# Altium PCB Brains3.PcbDoc (part 1 of 2)
Units mil, origin at the board's own origin, x right, y up, seen from the top; angles counter-clockwise.
Board outline 7000 x 3000 mil, 4 copper layers (Top Layer, PWR, GND, Bottom Layer); 216 components, 184 nets, 787 pads, 243 vias.
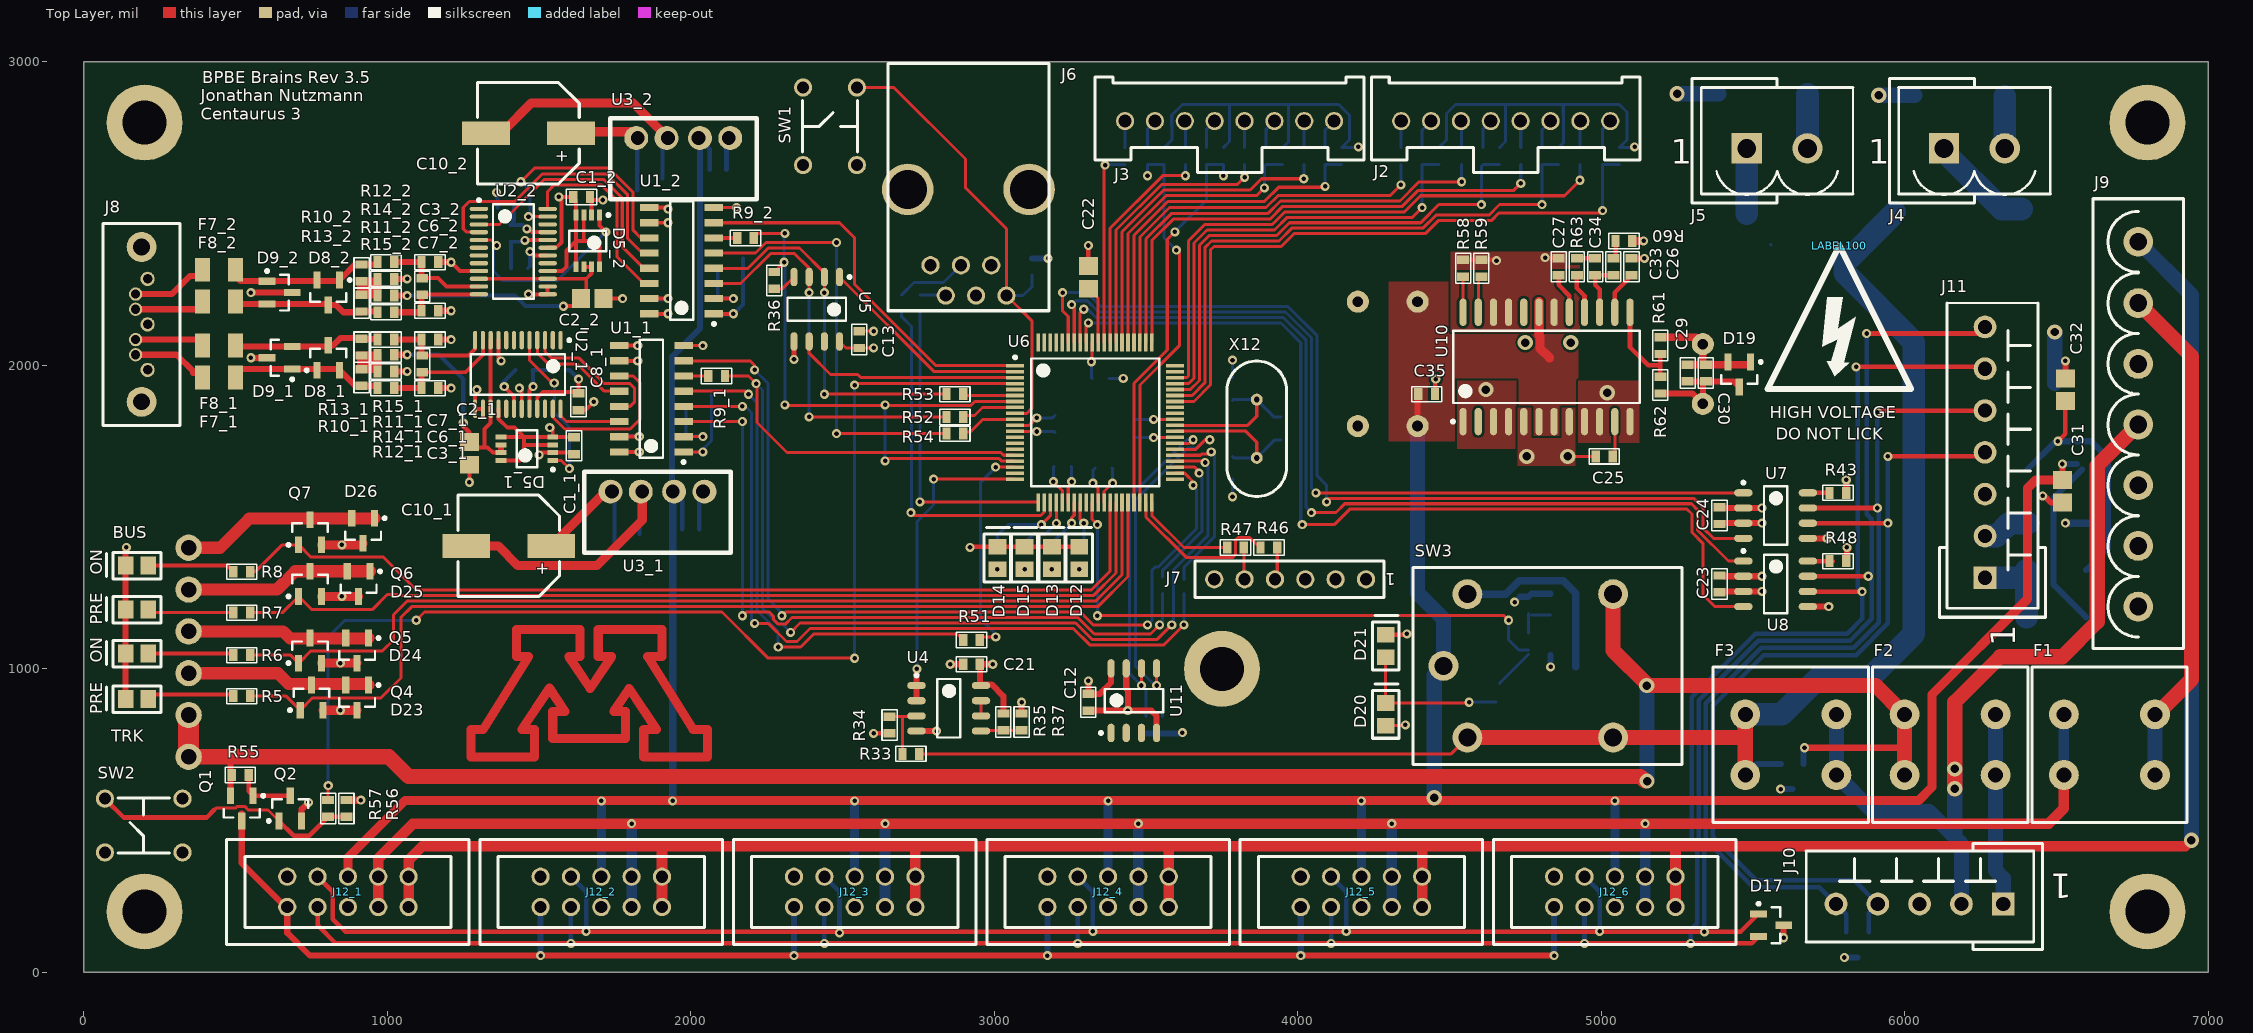
[diagram p0: Top Layer view]
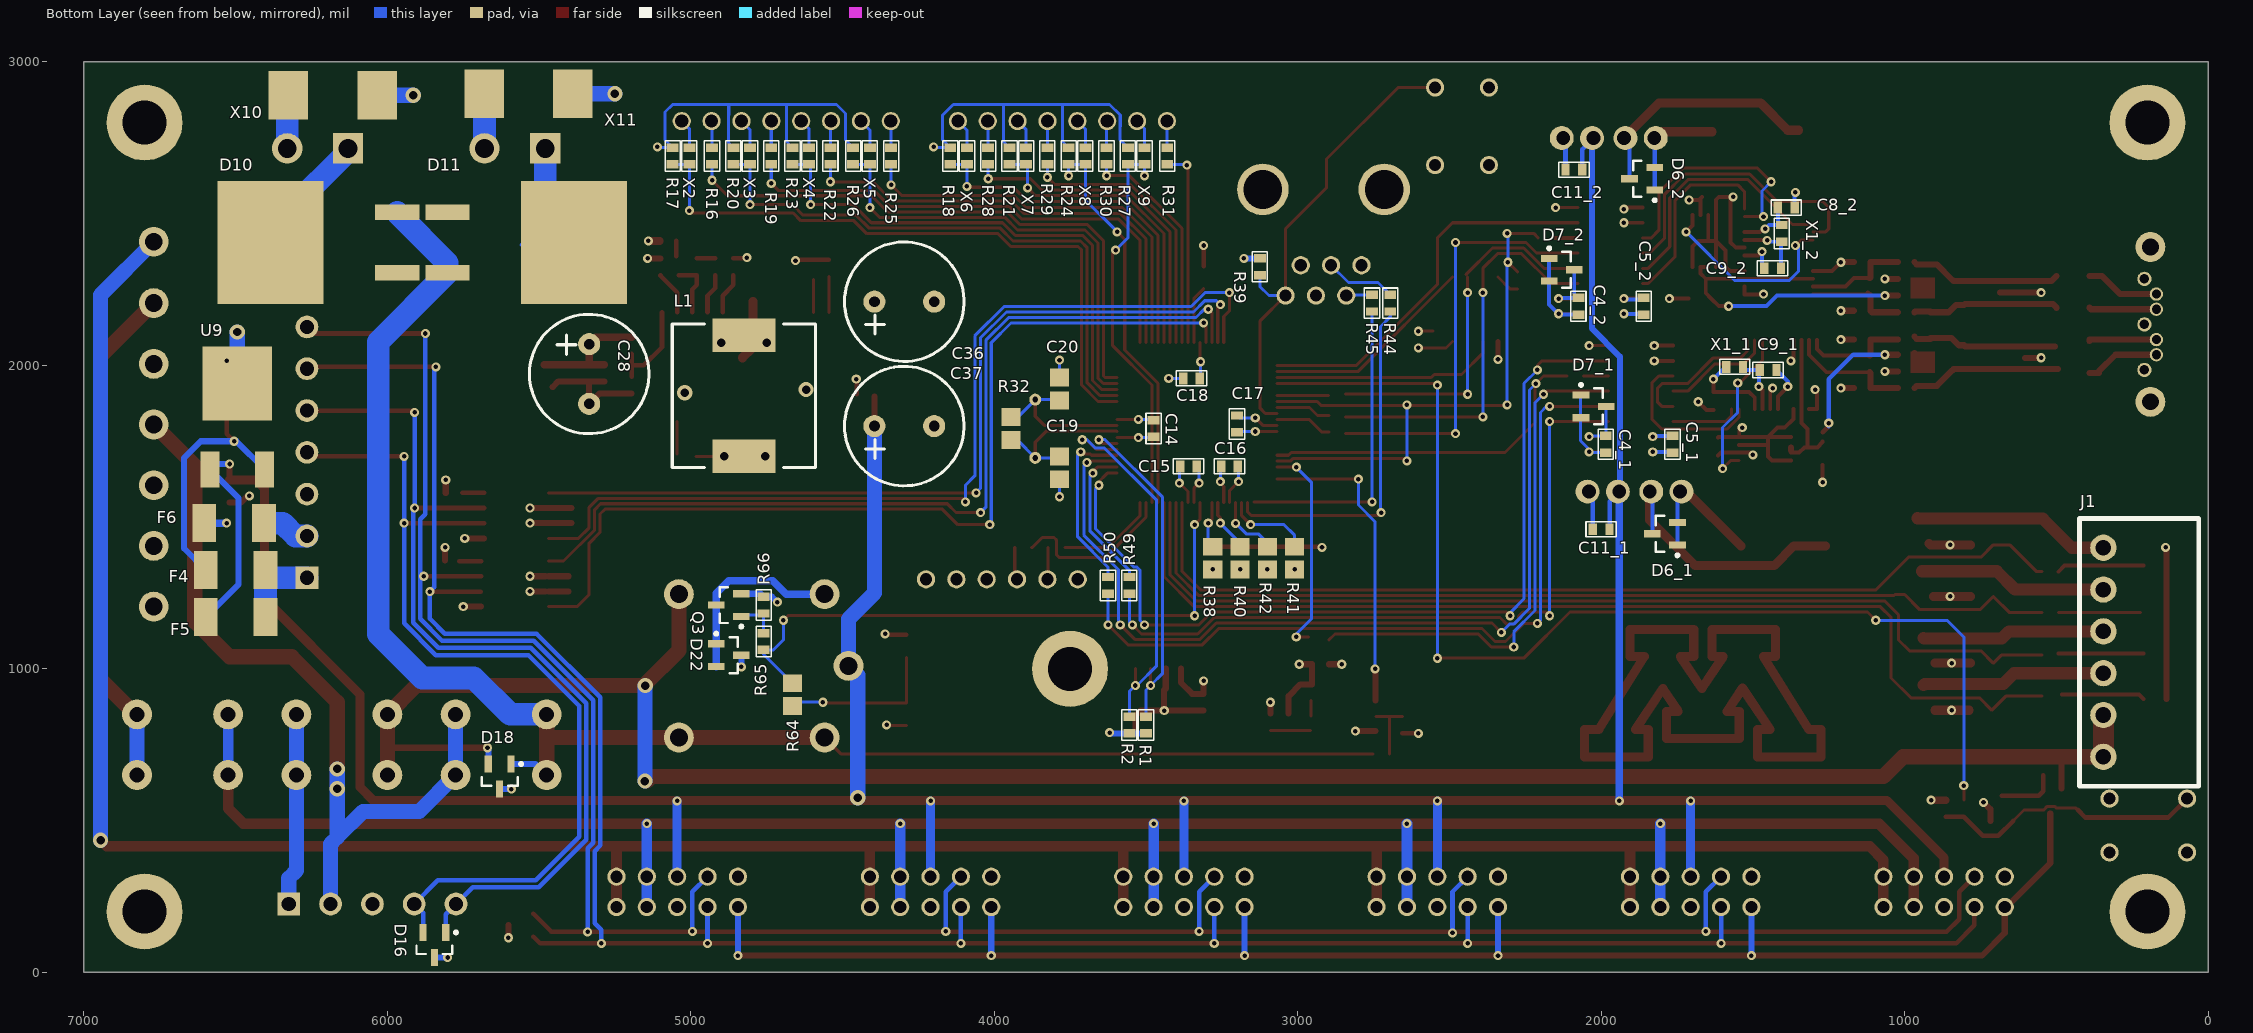
[diagram p1: Bottom Layer view, seen from below]
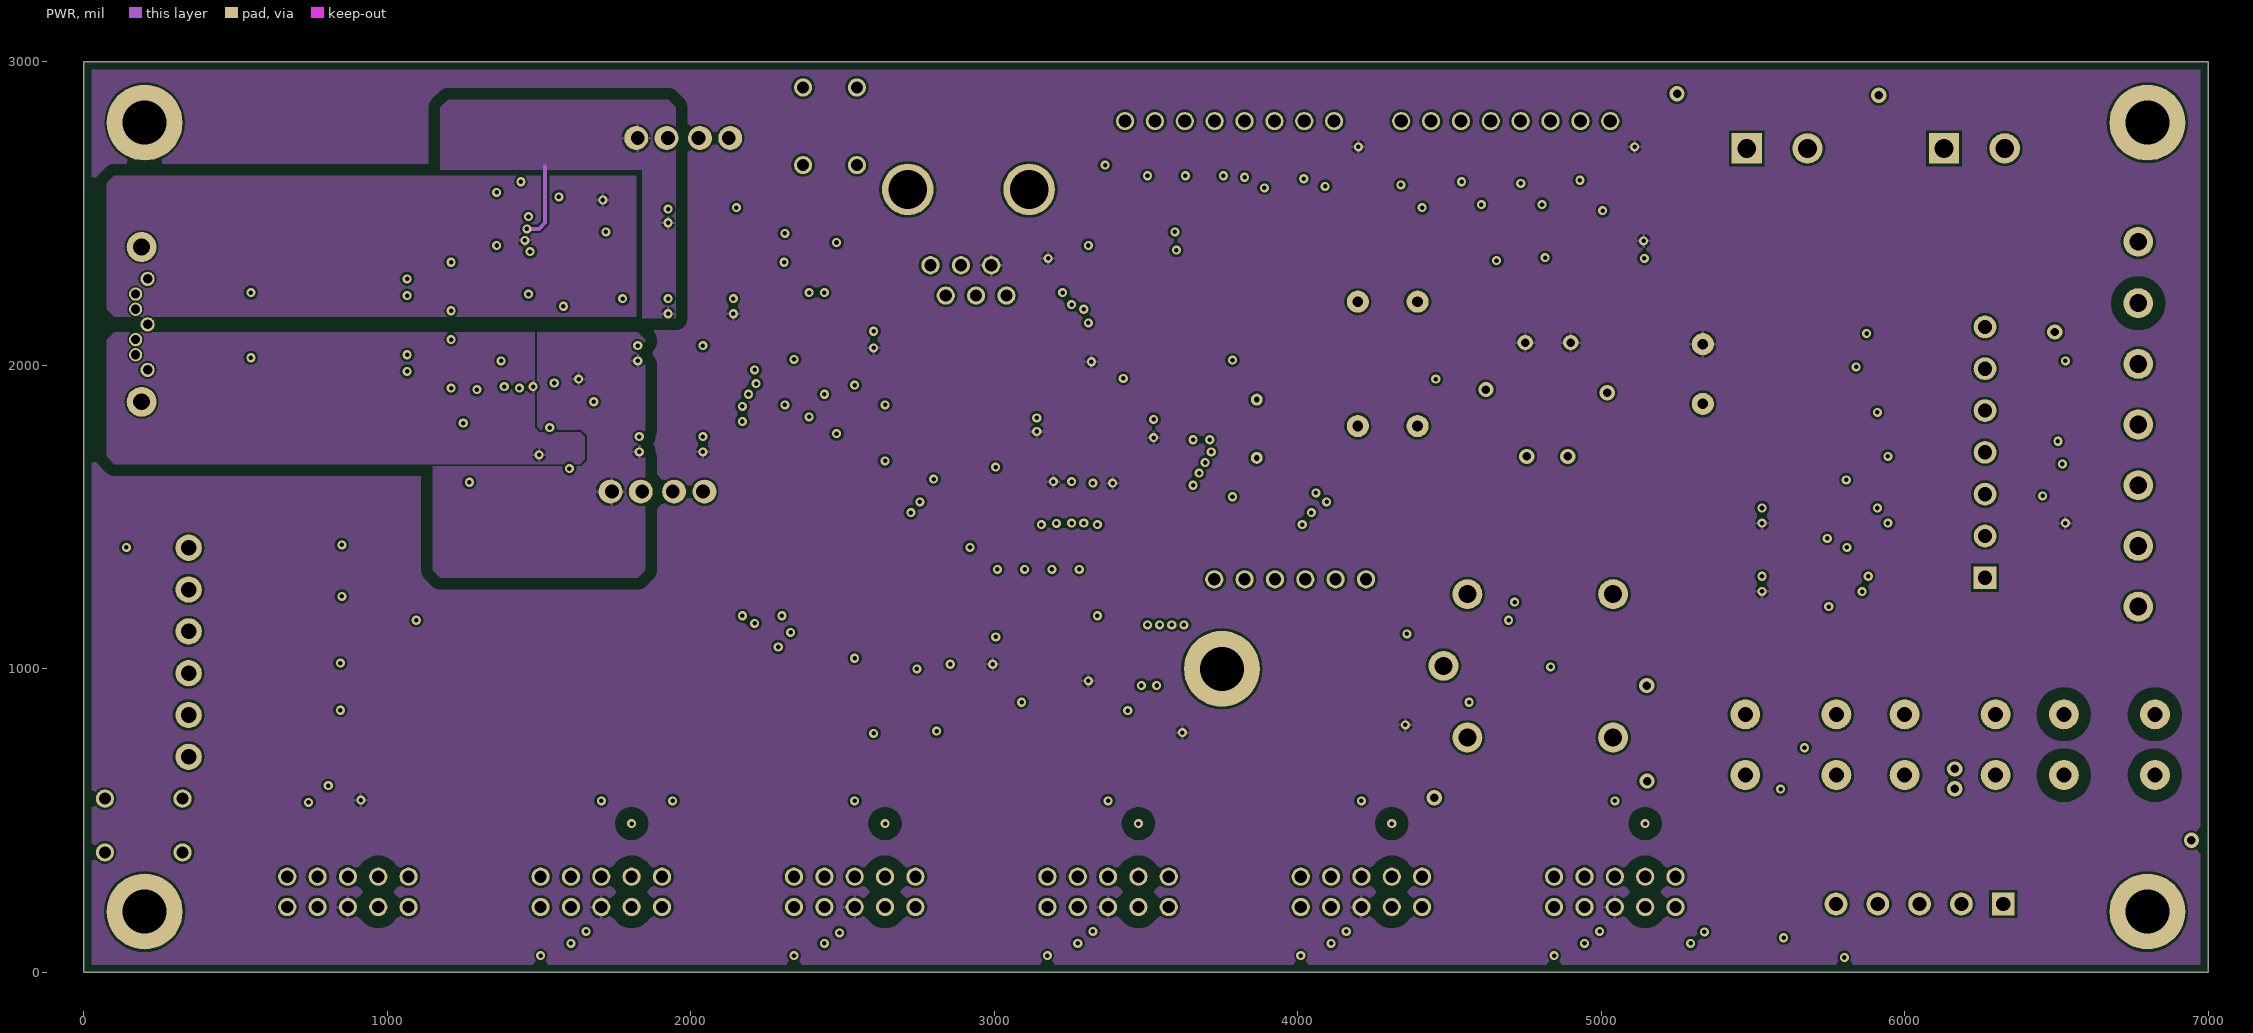
[diagram p2: PWR]
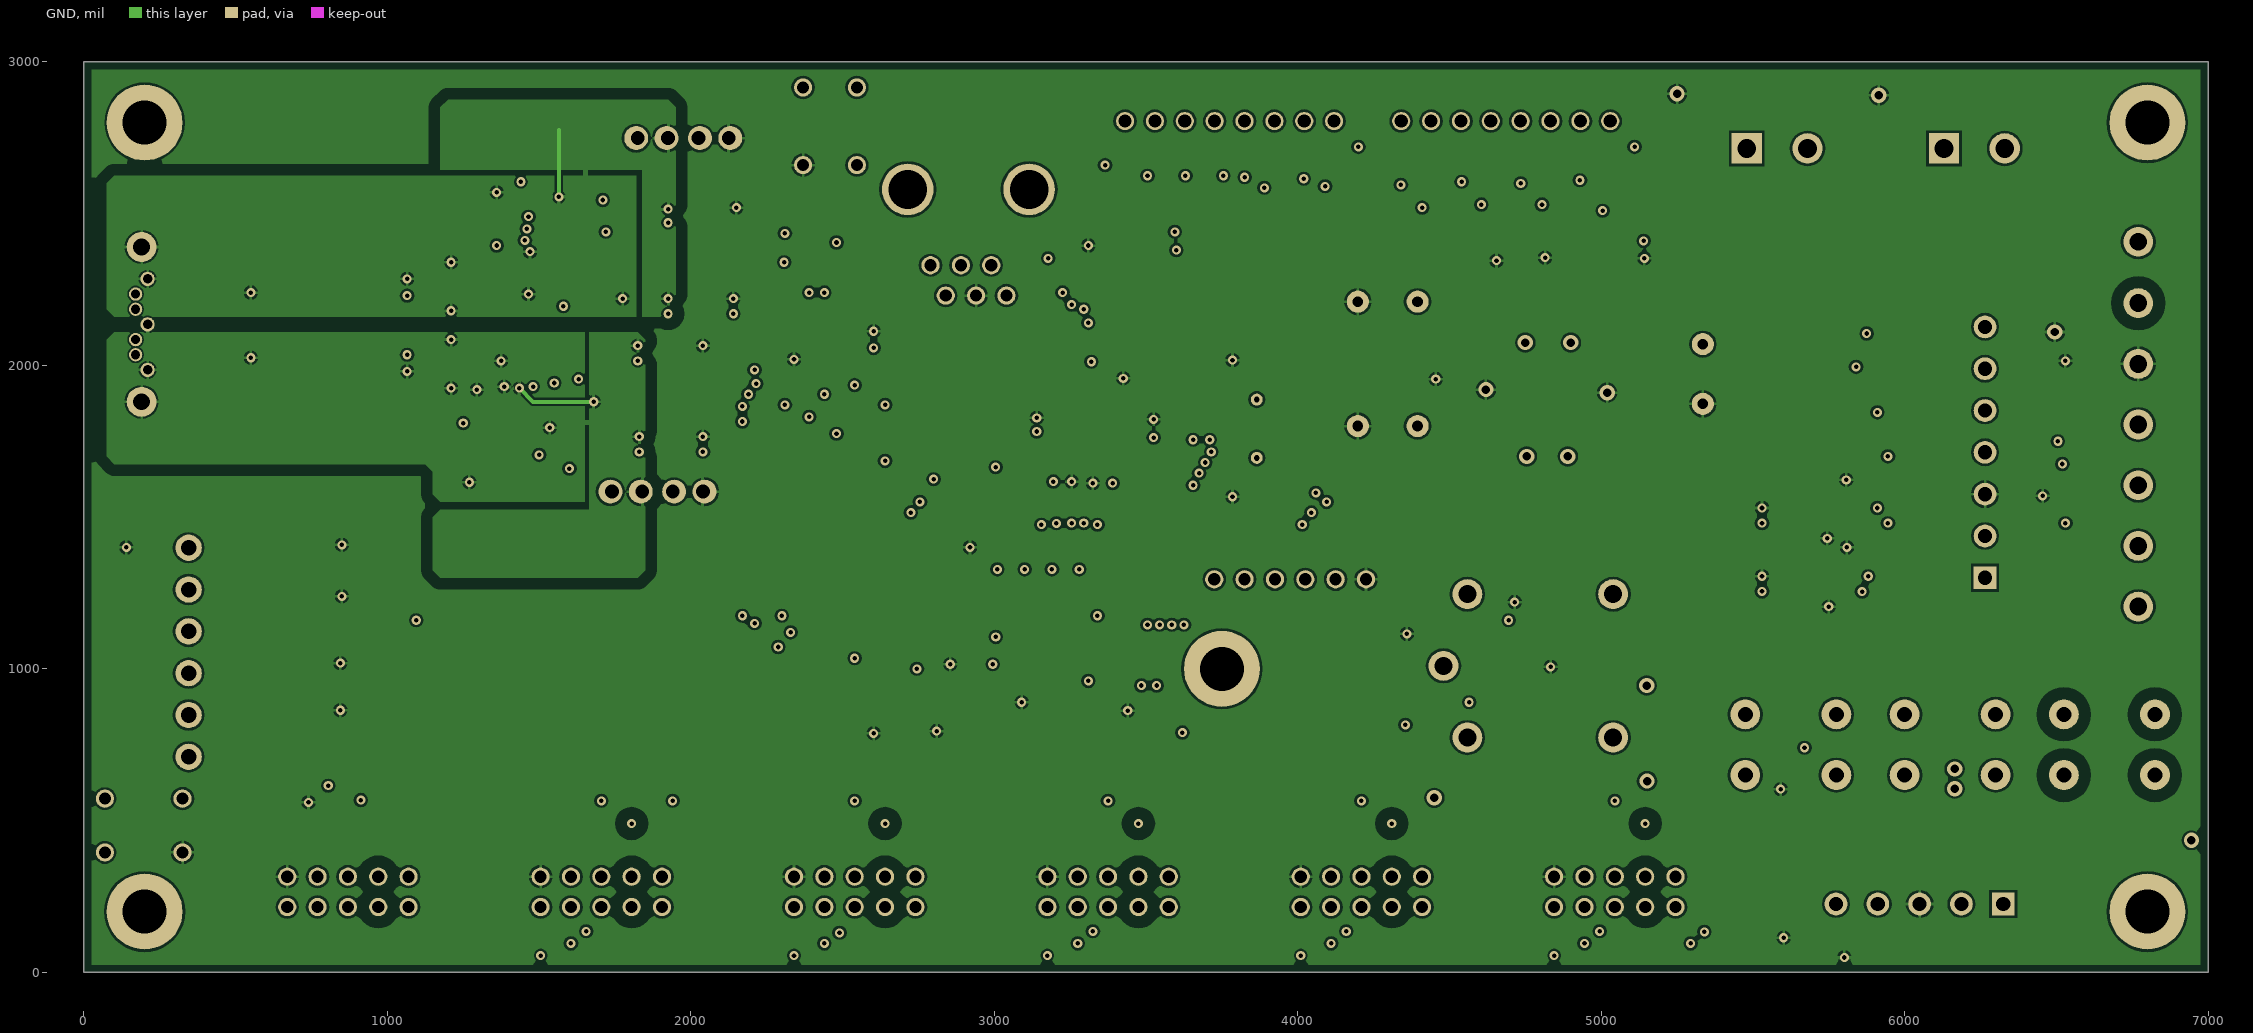
[diagram p3: GND]
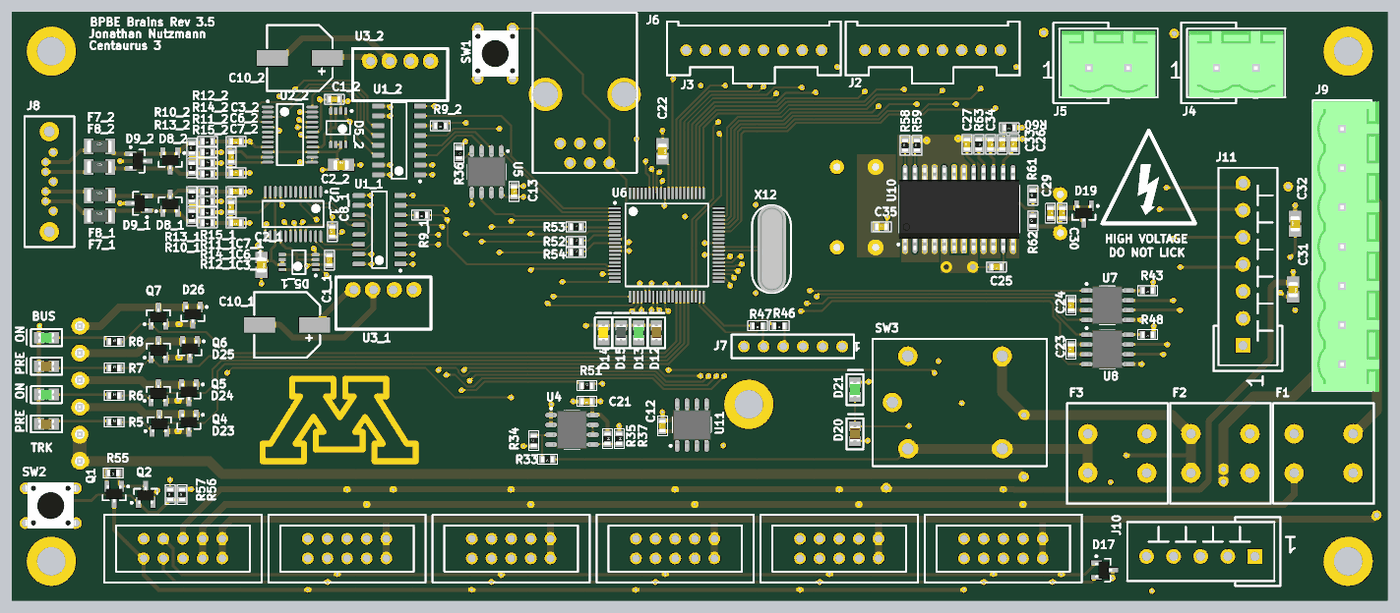
[diagram p5: 3D render of the assembled board from above, using the file's embedded part models]
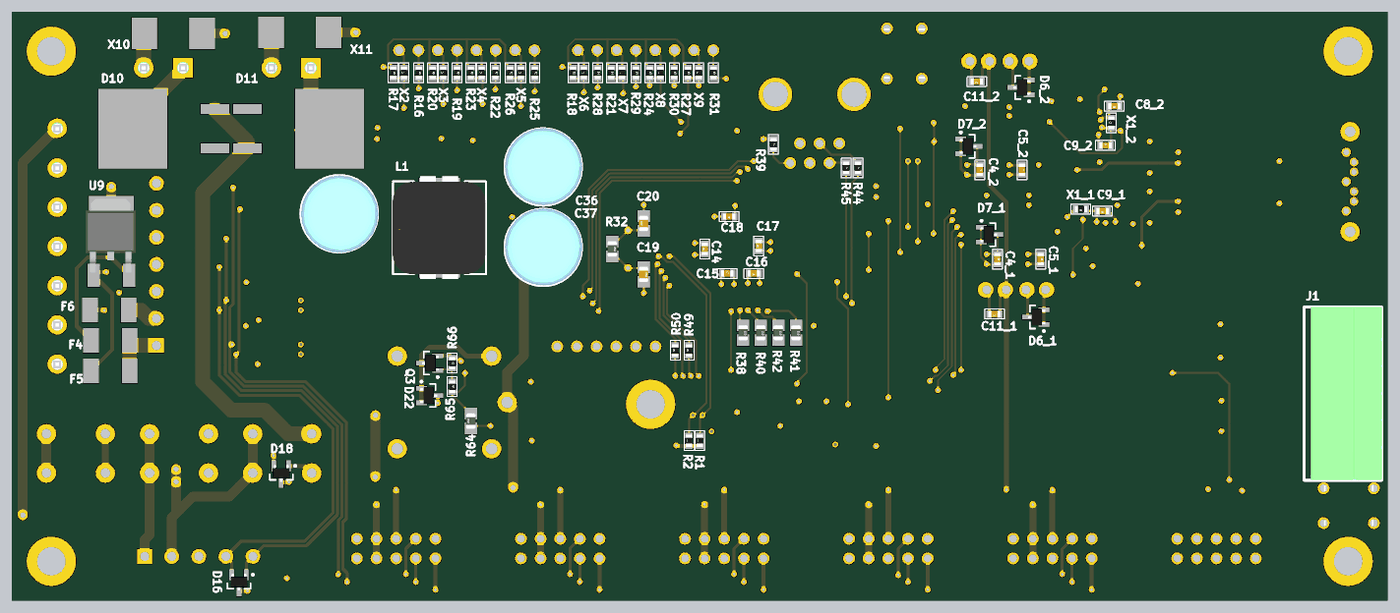
[diagram p6: 3D render of the assembled board from below, using the file's embedded part models]

## Layer stack, top to bottom
Top Layer: signal copper 1.4
Dielectric: core 12.6, FR-4, Dk 4.8
PWR: signal copper 1.4
Dielectric: prepreg 12.6, FR-4, Dk 4.8
GND: signal copper 1.4
Dielectric: core 12.6, FR-4, Dk 4.8
Bottom Layer: signal copper 1.4

## Board outline
0,0 7000,0 7000,3000 0,3000

## Design rules (kind name [scope] priority, off if disabled: settings)
Clearance HV [InNetClass('HV') vs NOT (HasFootprint('10PIN_2_.100IN') OR InNetClass('HV'))] p1: gap=39.37
Clearance "current sense" [InNetClass('CurrentSenseIso') vs NOT InNetClass('CurrentSenseIso') AND NOT HasFootprint('SIP4')] p2: gap=39.37
Clearance Micro_SATA [InComponent('J8') OR InComponent('U6')] p3: gap=6
Clearance CS1 [All] p4: gap=8
Height [All] p1: minheight=0 maxheight=2000 prefheight=500
HoleSize [All] p1: absolutevalues=TRUE maxlimit=1000 minlimit=1 maxpercent=80.000 minpercent=20.000
MinimumSolderMaskSliver [All] p1: minsoldermaskwidth=3
PolygonConnect Direct [InNet('SW') OR ((InNet('GND') OR InNet('+12')) AND OnTop)] p1: connectstyle=Direct reliefconductorwidth=10 reliefentries=4 polygonreliefangle="90 Angle"
PolygonConnect [All] p2: connectstyle=Relief reliefconductorwidth=10 reliefentries=4 polygonreliefangle="90 Angle"
RoutingVias [All] p1: holewidth=15 width=30 viastyle="Through Hole" minholewidth=15 minwidth=30 maxholewidth=50 maxwidth=100
SilkToSilkClearance [All] p1: silktosilkclearance=1
SilkscreenOverComponentPads [All] p1: minsilkscreentomaskgap=1
SolderMaskExpansion [All] p1: expansion=4
Width [All] p1: maxlimit=100 minlimit=10 preferedwidth=10
23 further rules are at their usual default settings.

## Classes and differential pairs
net class CSEN[1..2]: CSEN1 CSEN2
net class ISO_GND[1..2]: ISO_GND1 ISO_GND2
net class CurrentSenseIso: +3.3REF_1 +3.3REF_2 +5_ISO_1 +5_ISO_2 +5A_ISO_1 +5A_ISO_2 CS_1 CS_2 ISO_GND1 ISO_GND2 NC1_1 NC1_2 NC2_1 NC2_2 NC3_1 NC3_2 NC4_1 NC4_2 NC5_1 NC5_2 NC9_1 NC9_2 NC10_1 NC10_2 NetC3_1_2 NetC3_2_2 NetC6_1_2 NetC6_2_2 NetD8_1_1 NetD8_1_3 NetD8_2_1 NetD8_2_3 NetR10_1_1 NetR10_2_1 NetU2_1_1 NetU2_1_2 NetU2_1_6 NetU2_1_7 NetU2_1_8 NetU2_1_9 NetU2_1_13 NetU2_1_14 NetU2_1_17 NetU2_1_22 NetU2_2_1 NetU2_2_2 NetU2_2_6 NetU2_2_7 NetU2_2_8 NetU2_2_9 NetU2_2_13 NetU2_2_14 NetU2_2_17 NetU2_2_22 REFEN_1 REFEN_2 SCK_1 SCK_2 SDI_1 SDI_2 SDO_1 SDO_2 SMEASN1 SMEASN2 SMEASP1 SMEASP2
net class HV: +VBATT NetF1_2
channel class "Current Sense": CS1 CS2
channel class Connectors: MC1 MC2 MC3 MC4 MC5 MC6
net class SMEASP[1..2]: SMEASP1 SMEASP2
net class SMEASN[1..2]: SMEASN1 SMEASN2
net class SDO[1..2]: SDO1 SDO2
net class SDI[1..2]: SDI1 SDI2
net class SCK[1..2]: SCK1 SCK2
net class FAN_TACH[1..8]: FAN_TACH1 FAN_TACH2 FAN_TACH3 FAN_TACH4 FAN_TACH5 FAN_TACH6 FAN_TACH7 FAN_TACH8
net class FAN_PWM[1..8]: FAN_PWM1 FAN_PWM2 FAN_PWM3 FAN_PWM4 FAN_PWM5 FAN_PWM6 FAN_PWM7 FAN_PWM8
net class CSCS[1..2]: CSCS1 CSCS2
component class PW: C25 C26 C27 C28 C29 C30 C31 C32 C33 C34 C35 C36 C37 D18 D19 D20 D21 D22 F1 F2 F3 F4 F5 F6 J9 J10 J11 L1 Q1 Q2 Q3 R55 R56 R57 R58 R59 R60 R61 R62 R63 R64 R65 R66 SW2 SW3 U9 U10
component class Microcontroller: C12 C13 C14 C15 C16 C17 C18 C19 C20 C21 C22 C23 C24 D12 D13 D14 D15 D16 D17 J6 J7 J8 R1 R2 R32 R33 R34 R35 R36 R37 R38 R39 R40 R41 R42 R43 R44 R45 R46 R47 R48 R49 R50 R51 R52 R53 R54 SW1 U4 U5 U6 U7 U8 U11 X12
component class MC6: J12_6
component class MC5: J12_5
component class MC4: J12_4
component class MC3: J12_3
component class MC2: J12_2
component class MC1: J12_1
component class FN: D10 D11 J2 J3 J4 J5 R16 R17 R18 R19 R20 R21 R22 R23 R24 R25 R26 R27 R28 R29 R30 R31 X2 X3 X4 X5 X6 X7 X8 X9 X10 X11
component class CS2: C1_2 C2_2 C3_2 C4_2 C5_2 C6_2 C7_2 C8_2 C9_2 C10_2 C11_2 D5_2 D6_2 D7_2 D8_2 D9_2 F7_2 F8_2 R9_2 R10_2 R11_2 R12_2 R13_2 R14_2 R15_2 U1_2 U2_2 U3_2 X1_2
component class CS1: C1_1 C2_1 C3_1 C4_1 C5_1 C6_1 C7_1 C8_1 C9_1 C10_1 C11_1 D5_1 D6_1 D7_1 D8_1 D9_1 F7_1 F8_1 R9_1 R10_1 R11_1 R12_1 R13_1 R14_1 R15_1 U1_1 U2_1 U3_1 X1_1
component class CN: D23 D24 D25 D26 J1 ON PRE Q4 Q5 Q6 Q7 R5 R6 R7 R8

## Components (designator, comment, footprint, x,y, rotation, side; value= is the part's Value field where it differs from the comment)
C1_1 "CAP 0603" 0603_cap 1615,1735 r90 top (schematic designator C1)
C1_2 "CAP 0603" 0603_cap 1640,2555 r180 top (schematic designator C1)
C2_1 "CAP 10 uF" 0805_Capacitor 1270,1710 r270 top (schematic designator C2)
C2_2 "CAP 10 uF" 0805_Capacitor 1675,2220 r0 top (schematic designator C2)
C3_1 "CAP 0603" 0603_cap 1140,1925 r180 top (schematic designator C3)
C3_2 "CAP 0603" 0603_cap 1140,2340 r180 top (schematic designator C3)
C4_1 "CAP 0603" 0603_cap 1985,1740 r270 bottom (schematic designator C4)
C4_2 "CAP 0603" 0603_cap 2075,2195 r270 bottom (schematic designator C4)
C5_1 "CAP 0603" 0603_cap 1765,1740 r270 bottom (schematic designator C5)
C5_2 "CAP 0603" 0603_cap 1860,2195 r270 bottom (schematic designator C5)
C6_1 "CAP 0603" 0603_cap 1115,2005 r90 top (schematic designator C6)
C6_2 "CAP 0603" 0603_cap 1115,2260 r270 top (schematic designator C6)
C7_1 "CAP 0603" 0603_cap 1140,2085 r0 top (schematic designator C7)
C7_2 "CAP 0603" 0603_cap 1140,2180 r0 top (schematic designator C7)
C8_1 "CAP 0603" 0603_cap 1630,1880 r90 top (schematic designator C8)
C8_2 "CAP 0603" 0603_cap 1390,2520 r0 bottom (schematic designator C8)
C9_1 "CAP 0603" 0603_cap 1450,1985 r0 bottom (schematic designator C9)
C9_2 "CAP 0603" 0603_cap 1435,2320 r180 bottom (schematic designator C9)
C10_1 "EEE-FP1V101AP" EEE-FP1V101AP 1400,1405 r90 top (schematic designator C10)
C10_2 "EEE-FP1V101AP" EEE-FP1V101AP 1465,2765 r90 top (schematic designator C10)
C11_1 "CAP 0603" 0603_cap 2000,1460 r0 bottom (schematic designator C11)
C11_2 "CAP 0603" 0603_cap 2090,2645 r0 bottom (schematic designator C11)
C12 "CAP 0603" 0603_cap 3310,890 r90 top
C13 "CAP 0603" 0603_cap 2555,2085 r270 top
C14 "CAP 0603" 0603_cap 3475,1792.13 r90 bottom
C15 "CAP 0603" 0603_cap 3360,1667.13 r180 bottom
C16 "CAP 0603" 0603_cap 3225,1667.13 r0 bottom
C17 "CAP 0603" 0603_cap 3200,1807.13 r90 bottom
C18 "CAP 0603" 0603_cap 3350,1957.13 r0 bottom
C19 "CAP 20PF" 0805_Capacitor 3785,1662.13 r270 bottom
C20 "CAP 20PF" 0805_Capacitor 3785,1922.13 r90 bottom
C21 "CAP 0603" 0603_cap 2925,1015 r180 top
C22 "CAP 10 uF" 0805_Capacitor 3310,2290 r270 top
C23 "CAP 0603" 0603_cap 5390,1280 r90 top
C24 "CAP 0603" 0603_cap 5390,1505 r90 top
C25 "CAP 0603" 0603_cap 5010,1700 r180 top
C26 "CAP 0603" 0603_cap 5100,2325 r90 top
C27 "CAP 0603" 0603_cap 4860,2325 r90 top
C28 "CAP POLY 680UF" CAP_NICHICON_R7 5335,2070 r270 bottom
C29 "CAP 0603" 0603_cap 5285,1975 r270 top
C30 "CAP 0603" 0603_cap 5345,1975 r270 top
C31 "CAP 1uF" 0805_Capacitor 6520,1585 r270 top
C32 "CAP 1uF" 0805_Capacitor 6530,1920 r90 top
C33 "CAP 0603" 0603_cap 5040,2325 r270 top
C34 "CAP 0603" 0603_cap 4980,2325 r270 top
C35 "CAP 0603" 0603_cap 4425,1905 r0 top
C36 "CAP POLY 150UF" CAP_NICHICON_R7 4395,2210 r180 bottom
C37 "CAP POLY 150UF" CAP_NICHICON_R7 4395,1800 r180 bottom
D5_1 "D_LTC6655BHMS8-3.3#PBF" TSOP65P490X110-8N 1460,1725 r180 top (schematic designator D5)
D5_2 "D_LTC6655BHMS8-3.3#PBF" TSOP65P490X110-8N 1660,2410 r270 top (schematic designator D5)
D6_1 "MMBZ6V8AL,215" SOT-23 1790,1445 r0 bottom (schematic designator D6)
D6_2 "MMBZ6V8AL,215" SOT-23 1865,2615 r0 bottom (schematic designator D6)
D7_1 "MMBZ6V8AL,215" SOT-23 2025,1865 r180 bottom (schematic designator D7)
D7_2 "MMBZ6V8AL,215" SOT-23 2130,2315 r180 bottom (schematic designator D7)
D8_1 "BAV99" SOT-23 805,2025 r90 top (schematic designator D8)
D8_2 "BAV99" SOT-23 805,2240 r270 top (schematic designator D8)
D9_1 "MMBZ6V8AL,215" SOT-23 645,2025 r180 top (schematic designator D9)
D9_2 "MMBZ6V8AL,215" SOT-23 645,2240 r0 top (schematic designator D9)
D10 "STPS20L15G-TR" D2PAK-D 6385,2405 r180 bottom
D11 "STPS20L15G-TR" D2PAK-D 5385,2405 r0 bottom
D12 "D_LED_0805_RED" 0805P_RED 3280,1365 r270 top
D13 "D_LED_0805_GREEN" 0805P_Green 3190,1365 r270 top
D14 "D_LED_0805_YELLOW" 0805P_YELLOW 3010,1365 r270 top
D15 "D_LED_0805_BLUE" 0805_BLUE 3100,1365 r270 top
D16 "CAN TVS" SOT-23 5845,90 r270 bottom
D17 "CAN TVS" SOT-23 5560,155 r0 top
D18 "SM15.TCT" SOT-23 5630,645 r270 bottom
D19 "MMBZ6V8AL,215" SOT-23 5455,1970 r270 top
D20 "D_LED_0805_RED" 0805P_RED 4290,850 r270 top
D21 "D_LED_0805_GREEN" 0805P_Green 4290,1075 r270 top
D22 "D_AZ23C36-TP" SOT-23 4875,1045 r180 bottom
D23 "D_AZ23C36-TP" SOT-23 900,905 r270 top
D24 "D_AZ23C36-TP" SOT-23 900,1060 r270 top
D25 "D_AZ23C36-TP" SOT-23 905,1280 r270 top
D26 "D_AZ23C36-TP" SOT-23 920,1455 r270 top
F1 "F_3101.0040" "FPG4 Fuseholder" 6675,750 r90 top
F2 "F_3101.0040" "FPG4 Fuseholder" 6150,750 r90 top
F3 "F_3101.0040" "FPG4 Fuseholder" 5625,750 r90 top
F4 "F_SSQ 12" 2410 6500,1325 r180 bottom
F5 "F_SSQ 12" 2410 6500,1170 r180 bottom
F6 "F_SSQ 12" 2410 6505,1480 r180 bottom
F7_1 "250 mA" 1206_RESISTOR 445,1960 r0 top (schematic designator F7)
F7_2 "250 mA" 1206_RESISTOR 445,2315 r0 top (schematic designator F7)
F8_1 "250 mA" 1206_RESISTOR 445,2065 r0 top (schematic designator F8)
F8_2 "250 mA" 1206_RESISTOR 445,2210 r0 top (schematic designator F8)
J1 "J_1803316" 1844252 345,710 r90 bottom
J2 "DF1E 5-pin Male Header" DF1EC-8P-2.5DSA 5030,2805 r180 top
J3 "DF1E 5-pin Male Header" DF1EC-8P-2.5DSA 4120,2805 r180 top
J4 "J_PHOENIX_2M_5.08" PHX2UP 6235,2725 r180 top
J5 "J_PHOENIX_2M_5.08" PHX2UP 5585,2725 r180 top
J6 "RJ-11 6-6 MOD JACK" SS-6466-NF 2815,2230 r90 top
J7 "IDC Connector" 6PIN_1_.100IN 4225,1295 r180 top
J8 "J_SATA_0471554001" SATA_67800-8005 190,2135 r90 top
J9 "J_PHOENIX_7M_5.08" PHONEIX_7_5.08 6770,1205 r90 top
J10 "J_PHOENIX_5M_3.5" 1843635 6325,225 r270 top
J11 "" 1843651 6265,1300 r180 top